# KiCad board PANEL.kicad_pcb (continued)
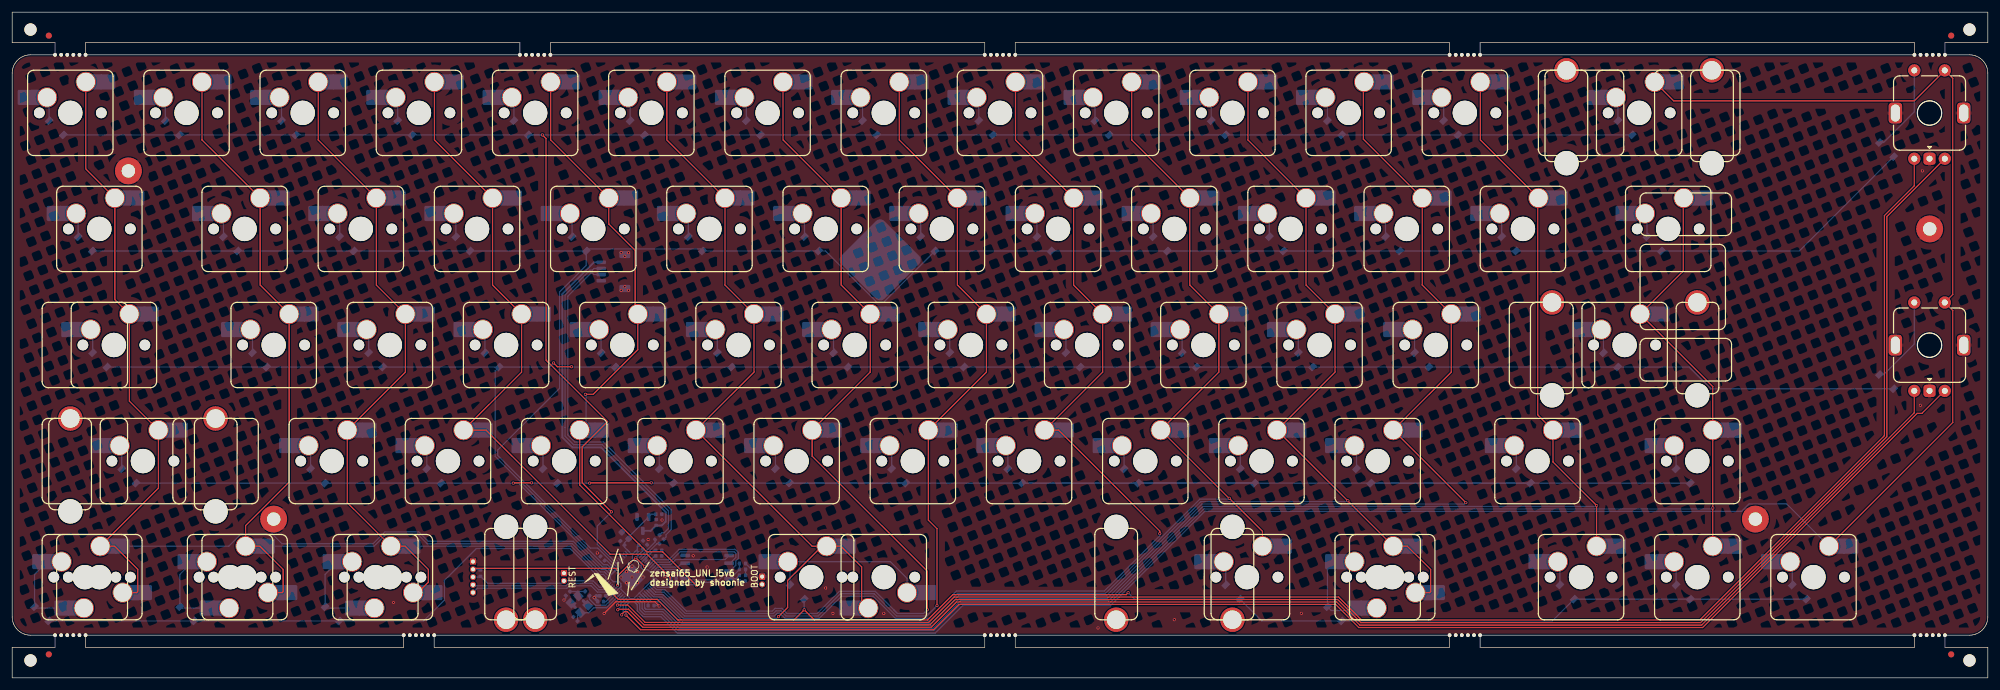
[diagram p0: board, top side]
## Footprints (pads in the part's own frame, mm; a bottom-side part is the same pattern mirrored in y, then rotated) (continued)
STAB_MX_P_2u
  round 4 hole 3.048: (-11.906,6.985) (11.906,6.985)
  round 3.988 hole 3.988 unplated: (-11.906,-8.255) (11.906,-8.255)
STAB_MX_P_6.25u
  round 4 hole 3.048: (-50.006,6.985) (50.006,6.985)
  round 3.988 hole 3.988 unplated: (-50.006,-8.255) (50.006,-8.255)
STAB_MX_P_7u
  round 4 hole 3.048: (-57.15,6.985) (57.15,6.985)
  round 3.988 hole 3.988 unplated: (-57.15,-8.255) (57.15,-8.255)
SW_MX_HS_S_CPG151101S11_1u
  round 1.75 hole 1.75 unplated: (-5.08,0) (5.08,0)
  round 3.988 hole 3.988 unplated: (0,0)
  round 3.3 hole 3: 1(3.81,2.54) 2(-2.54,5.08)
  rect 1.65x2.5 smd: 1(5.635,2.54) 2(-4.34,5.08)
  rrect 2.55x2.5 smd: 1(7.36,2.54) 2(-6.09,5.08)

## Nets
Board_0-+1V1: C4.1 C5.1 C13.1 U1.23 U1.45 U1.50
Board_0-+3V3: C2.1 C3.1 C6.1 C7.1 C8.1 C9.1 C12.1 C14.1 C15.1 C16.1 J3.2 R3.2 R9.2 U1.1 U1.10 U1.22 U1.33 U1.42 U1.43 U1.44 U1.48 U1.49 U2.2 U4.8
Board_0-+5V: C1.1 J1.1 U2.3
Board_0-COL0: SW1.2 SW17.2 SW34.2 SW50.2 SW64.2 SW65.1 U1.30
Board_0-COL1: SW2.2 SW18.2 SW35.2 SW66.2 SW67.1 U1.29
Board_0-COL2: SW3.2 SW19.2 SW36.2 SW52.2 SW68.2 SW69.1 U1.28
Board_0-COL3: SW4.2 SW20.2 SW37.2 SW53.2 U1.2
Board_0-COL4: SW5.2 SW21.2 SW38.2 SW54.2 U1.3
Board_0-COL5: SW6.2 SW22.2 SW39.2 SW55.2 SW70.2 SW71.2 U1.7
Board_0-COL6: SW7.2 SW23.2 SW40.2 SW56.2 U1.4
Board_0-COL7: SW8.2 SW24.2 SW41.2 SW57.2 U1.5
Board_0-COL8: SW9.2 SW25.2 SW42.2 SW58.2 U1.6
Board_0-COL9: SW10.2 SW26.2 SW43.2 SW59.2 SW72.2 U1.8
Board_0-COL10: SW11.2 SW27.2 SW44.2 SW60.2 SW73.2 SW74.1 U1.9
Board_0-COL11: SW12.2 SW28.2 SW45.2 SW61.2 U1.11
Board_0-COL12: SW13.2 SW29.2 SW62.2 SW75.2 U1.12
Board_0-COL13: SW30.2 SW47.2 SW63.2 SW76.2 U1.13
Board_0-COL14: SW15.2 SW32.S1 SW48.S1 SW77.2 U1.14
Board_0-D+: J1.3 R4.1
Board_0-D-: J1.2 R5.1
Board_0-GND: C1.2 C2.2 C3.2 C4.2 C5.2 C6.2 C7.2 C8.2 C9.2 C10.1 C11.1 C12.2 C13.2 C14.2 C15.2 C16.2 H1.1 H2.1 H3.1 H4.1 H7.1 J1.4 J1.MP J3.1 SW32.C SW32.MP SW48.C SW48.MP SW78.1 SW79.1 U1.19 U1.57 U2.1 U4.4 Y1.2 Y1.4
Board_0-Net-(C11-Pad2): C11.2 R6.1 Y1.1
Board_0-Net-(D1-A): D1.2 SW1.1
Board_0-Net-(D2-A): D2.2 SW2.1
Board_0-Net-(D3-A): D3.2 SW3.1
Board_0-Net-(D4-A): D4.2 SW4.1
Board_0-Net-(D5-A): D5.2 SW5.1
Board_0-Net-(D6-A): D6.2 SW6.1
Board_0-Net-(D7-A): D7.2 SW7.1
Board_0-Net-(D8-A): D8.2 SW8.1
Board_0-Net-(D9-A): D9.2 SW9.1
Board_0-Net-(D10-A): D10.2 SW10.1
Board_0-Net-(D11-A): D11.2 SW11.1
Board_0-Net-(D12-A): D12.2 SW12.1
Board_0-Net-(D13-A): D13.2 SW13.1
Board_0-Net-(D15-A): D15.2 SW15.1
Board_0-Net-(D17-A): D17.2 SW17.1
Board_0-Net-(D18-A): D18.2 SW18.1
Board_0-Net-(D19-A): D19.2 SW19.1
Board_0-Net-(D20-A): D20.2 SW20.1
Board_0-Net-(D21-A): D21.2 SW21.1
Board_0-Net-(D22-A): D22.2 SW22.1
Board_0-Net-(D23-A): D23.2 SW23.1
Board_0-Net-(D24-A): D24.2 SW24.1
Board_0-Net-(D25-A): D25.2 SW25.1
Board_0-Net-(D26-A): D26.2 SW26.1
Board_0-Net-(D27-A): D27.2 SW27.1
Board_0-Net-(D28-A): D28.2 SW28.1
Board_0-Net-(D29-A): D29.2 SW29.1
Board_0-Net-(D31-A): D31.2 SW30.1
Board_0-Net-(D32-A): D32.2 SW32.S2
Board_0-Net-(D34-A): D34.2 SW34.1
Board_0-Net-(D35-A): D35.2 SW35.1
Board_0-Net-(D36-A): D36.2 SW36.1
Board_0-Net-(D37-A): D37.2 SW37.1
Board_0-Net-(D38-A): D38.2 SW38.1
Board_0-Net-(D39-A): D39.2 SW39.1
Board_0-Net-(D40-A): D40.2 SW40.1
Board_0-Net-(D41-A): D41.2 SW41.1
Board_0-Net-(D42-A): D42.2 SW42.1
Board_0-Net-(D43-A): D43.2 SW43.1
Board_0-Net-(D44-A): D44.2 SW44.1
Board_0-Net-(D45-A): D45.2 SW45.1
Board_0-Net-(D46-A): D46.2 SW47.1
Board_0-Net-(D48-A): D48.2 SW48.S2
Board_0-Net-(D50-A): D50.2 SW50.1
Board_0-Net-(D52-A): D52.2 SW52.1
Board_0-Net-(D53-A): D53.2 SW53.1
Board_0-Net-(D54-A): D54.2 SW54.1
Board_0-Net-(D55-A): D55.2 SW55.1
Board_0-Net-(D56-A): D56.2 SW56.1
Board_0-Net-(D57-A): D57.2 SW57.1
Board_0-Net-(D58-A): D58.2 SW58.1
Board_0-Net-(D59-A): D59.2 SW59.1
Board_0-Net-(D60-A): D60.2 SW60.1
Board_0-Net-(D61-A): D61.2 SW61.1
Board_0-Net-(D62-A): D62.2 SW62.1
Board_0-Net-(D63-A): D63.2 SW63.1
Board_0-Net-(D64-A): D64.2 SW64.1 SW65.2
Board_0-Net-(D66-A): D66.2 SW66.1 SW67.2
Board_0-Net-(D68-A): D68.2 SW68.1 SW69.2
Board_0-Net-(D70-A): D70.2 SW70.1 SW71.1
Board_0-Net-(D72-A): D72.2 SW72.1
Board_0-Net-(D74-A): D74.2 SW73.1 SW74.2
Board_0-Net-(D75-A): D75.2 SW75.1
Board_0-Net-(D76-A): D76.2 SW76.1
Board_0-Net-(D77-A): D77.2 SW77.1
Board_0-Net-(R7-Pad1): R7.1 SW79.2
Board_0-Net-(R8-Pad2): R8.2 R9.1
Board_0-Net-(U1-USB_DM): R5.2 U1.46
Board_0-Net-(U1-USB_DP): R4.2 U1.47
Board_0-QSPI_SCLK: U1.52 U4.6
Board_0-QSPI_SD0: U1.53 U4.5
Board_0-QSPI_SD1: U1.55 U4.2
Board_0-QSPI_SD2: U1.54 U4.3
Board_0-QSPI_SD3: U1.51 U4.7
Board_0-QSPI_SS: R7.2 R8.1 U1.56 U4.1
Board_0-RESET: J3.3 R3.1 SW78.2 U1.26
Board_0-ROW0: D1.1 D2.1 D3.1 D4.1 D5.1 D6.1 D7.1 D8.1 D9.1 D10.1 D11.1 D12.1 D13.1 D15.1 U1.35
Board_0-ROW1: D17.1 D18.1 D19.1 D20.1 D21.1 D22.1 D23.1 D24.1 D25.1 D26.1 D27.1 D28.1 D29.1 D31.1 D32.1 U1.34
Board_0-ROW2: D34.1 D35.1 D36.1 D37.1 D38.1 D39.1 D40.1 D41.1 D42.1 D43.1 D44.1 D45.1 D46.1 D48.1 U1.32
Board_0-ROW3: D50.1 D52.1 D53.1 D54.1 D55.1 D56.1 D57.1 D58.1 D59.1 D60.1 D61.1 D62.1 D63.1 U1.31
Board_0-ROW4: D64.1 D66.1 D68.1 D70.1 D72.1 D74.1 D75.1 D76.1 D77.1 U1.27
Board_0-SW32A: SW32.A U1.18
Board_0-SW32B: SW32.B U1.17
Board_0-SW48A: SW48.A U1.16
Board_0-SW48B: SW48.B U1.15
Board_0-SWCLK: J3.5 U1.24
Board_0-SWD: J3.4 U1.25
Board_0-unconnected-(U1-GPIO24-Pad36): U1.36
Board_0-unconnected-(U1-GPIO25-Pad37): U1.37
Board_0-unconnected-(U1-GPIO26_ADC0-Pad38): U1.38
Board_0-unconnected-(U1-GPIO27_ADC1-Pad39): U1.39
Board_0-unconnected-(U1-GPIO28_ADC2-Pad40): U1.40
Board_0-unconnected-(U1-GPIO29_ADC3-Pad41): U1.41
Board_0-XIN: C10.2 U1.20 Y1.3
Board_0-XOUT: R6.2 U1.21

## Via types
v1: diameter 0.5, hole 0.3, Top to Bottom, 65 vias

## Routing (per net, layer and track width the routed paths; a pad name or vN(x,y) marks a point on that pad's centre or on a via; arc(x,y) is an arc through that point)
Board_0-+1V1: length 16.1
  Top w0.2: v1(103.65,18.29) v1(102.23,19.7) 102.2,19.7 99.24,16.74 v1(99.24,15.22)
  Bottom w0.2: v1(103.65,18.29) U1.50 104.48,19.13 ; 104.48,19.13 105.36,20.01 104.48,19.13 ; C4.1 103.39,20.87 U1.45 v1(102.23,19.7) ; C13.1 97.68,13.45 U1.23 99.24,15.01 v1(99.24,15.22)
Board_0-+3V3: length 87.5
  Top w0.2: v1(99.23,17.79) 99.05,17.98 75.71,17.98
  Bottom w0.2: 99.79,15.1 99.79,14.99 99.46,14.67 99.46,14.67 U1.22 97.3,12.51 C14.1 ; 99.79,15.1 99.79,15.45 99.46,15.77 98.53,15.77 98.07,16.24 98.07,16.81 98.31,17.05 ; 99.79,15.1 99.79,14.52 101.31,13 101.89,13 102.8,13.91 ; U1.44 102.48,21.57 C7.1 ; 103.1,18.85 103.1,18.87 U1.48 ; 103.1,18.85 103.1,18.43 103.1,18.43 103.1,18.06 103.42,17.74 104.21,17.74 105.08,16.86 105.08,16.19 ; 103.1,18.85 102.79,19.15 102,19.15 101.68,19.48 101.68,20.28 101.82,20.42 ; 102.8,13.91 102.81,13.91 U1.10 104.24,12.47 C16.1 ; 102.8,13.91 105.08,16.19 ; R9.2 118.64,16.27 U4.8 ; 101.82,20.42 101.38,20.42 U1.42 100.36,21.44 C6.1 100.36,22.14 C3.1 ; 101.82,20.42 U1.43 ; U1.48 104.57,20.34 ; U1.48 103.89,19.66 ; 104.57,20.34 103.89,19.66 ; 104.57,20.34 105.15,20.92 C8.1 ; U4.8 118.62,16.27 119,15.89 ; U4.8 116.92,15.67 111.16,15.67 111.16,15.67 108.5,15.67 C15.1 107.25,15.67 106.13,15.67 U1.1 105.49,16.31 105.2,16.31 105.08,16.19 ; 98.31,17.05 98.84,17.58 98.84,17.87 U1.33 97.45,19.26 C9.1 ; 98.31,17.05 99.05,17.79 v1(99.23,17.79) ; 103.89,19.66 U1.49 ; J3.2 76.63,17.81 ; 101.03,23.1 U2.2 104.79,26.86 C2.1
Board_0-+5V: length 60
  Bottom w0.3: J1.1 95.36,68.19 90.18,63.01 90.18,39.48 91.85,37.81 96.54,37.81 107.13,27.22 107.13,25.65 106.49,25.01 C1.1 104.68,24.13 U2.3
Board_0-COL0: length 187.2
  Top w0.2: SW65.1 20.43,13.99 20.59,14.15 20.59,17.79 16.78,21.61 SW64.2 23.97,31.13 SW50.2 19.21,45.42 SW34.2 16.83,62.09 SW17.2 12.06,83.52 SW1.2
  Bottom w0.2: U1.30 97.24,17.78 96.6,17.78 91.97,22.41 68.2,22.41 66.65,23.96 61.1,23.96 59.15,22.01 44.22,22.01 42.67,23.56 37.45,23.56 35.5,21.61 SW64.2
Board_0-COL1: length 161.6
  Top w0.2: SW67.1 44.24,13.99 44.41,14.15 44.41,17.79 40.59,21.61 SW66.2 38.26,24.98 45.4,32.13 SW35.2 40.64,64.47 SW18.2 31.11,88.28 SW2.2
  Bottom w0.2: SW66.2 59.31,21.61 61.26,23.56 66.48,23.56 68.03,22.01 91.81,22.01 96.44,17.38 97.07,17.38 U1.29
Board_0-COL2: length 140.7
  Top w0.2: 66.52,13.99 68.22,15.69 68.22,17.79 64.4,21.61 SW68.2 54.93,28.75 SW52.2 64.45,50.18 SW36.2 59.69,64.47 SW19.2 50.16,88.28 SW3.2
  Bottom w0.2: U1.28 97.33,16.55 96.91,16.98 96.27,16.98 91.64,21.61 SW68.2 ; 63.73,22.01 62.69,23.06
Board_0-COL3: length 114.4
  Top w0.2: v1(107.84,15.48) 107.84,16.53 104.08,20.29 98.04,20.29 77.67,40.66 SW53.2 83.5,50.18 SW37.2 78.74,64.47 SW20.2 69.22,88.28 SW4.2
  Bottom w0.2: v1(107.84,15.48) 107.63,15.27 105.96,15.27 U1.2
Board_0-COL4: length 108.1
  Top w0.2: SW38.2 102.55,53.85 95.24,46.54 v1(93.96,46.54) ; v1(112.18,15.12) 106.62,20.69 103.99,20.69 93.03,31.65 SW54.2 ; 102.11,60.15 102.11,70.17 97.79,74.48 SW21.2 88.27,88.28 SW5.2
  Bottom w0.2: 94.08,41.71 94.08,46.42 v1(93.96,46.54) ; U1.3 105.81,14.86 107.99,14.86 108.41,15.27 112.04,15.27 v1(112.18,15.12)
Board_0-COL5: length 147.1
  Top w0.2: v1(125.61,10.05) 127.11,11.55 127.11,15.99 132.73,21.61 ; 139.25,12.53 139.25,18.2 135.84,21.61 SW70.2 131.13,21.61 SW55.2 121.6,50.18 SW39.2 116.84,64.47 SW22.2 107.31,88.28 SW6.2
  Bottom w0.2: v1(125.61,10.05) 125.32,9.75 110.03,9.75 106.52,13.26 105.15,13.26 U1.7
Board_0-COL6: length 155.6
  Top w0.2: v1(150.02,11.17) 150.02,17.49 131.13,36.38 SW56.2 140.65,50.18 SW40.2 135.89,64.47 SW23.2 126.36,88.28 SW7.2
  Bottom w0.2: 145.12,10.55 149.4,10.55 v1(150.02,11.17) ; 145.12,10.55 144.58,11.09 ; 145.12,10.55 144.58,11.09 ; 144.58,11.09 141.47,14.2 135.59,14.2 131.95,10.55 127.02,10.55 126.17,11.4 125.05,11.4 124.61,10.95 110.52,10.95 107.01,14.46 105.65,14.46 U1.4
Board_0-COL7: length 149.3
  Top w0.2: SW8.2 145.42,88.28 SW24.2 154.94,64.47 SW41.2 159.7,50.18 SW57.2 150.18,25.89 151.6,24.47 v1(151.6,11.85)
  Bottom w0.2: v1(151.6,11.85) 149.9,10.15 144.95,10.15 141.31,13.8 135.76,13.8 132.11,10.15 126.85,10.15 126,11 125.22,11 124.77,10.55 110.36,10.55 106.85,14.06 105.48,14.06 U1.5
Board_0-COL8: length 189.4
  Top w0.2: v1(188.12,23.67) 188.12,24.08 171.54,40.66 SW58.2 178.75,50.18 SW42.2 173.99,64.47 SW25.2 164.46,88.28 SW9.2
  Bottom w0.2: 105.31,13.66 105.18,13.79 U1.6 105.31,13.66 ; 105.31,13.66 106.68,13.66 110.19,10.15 124.94,10.15 125.38,10.6 125.84,10.6 126.68,9.75 132.28,9.75 135.93,13.4 141.14,13.4 144.79,9.75 150.3,9.75 154.8,14.25 179.04,14.25 188.12,23.33 v1(188.12,23.67)
Board_0-COL9: length 198.9
  Top w0.2: SW72.2 204.95,24.04 v1(199.52,29.47) 199.46,29.47 SW59.2 197.8,50.18 SW43.2 193.04,64.47 SW26.2 183.51,88.28 SW10.2
  Bottom w0.2: U1.8 104.98,12.86 106.33,12.86 109.84,9.35 150.47,9.35 154.97,13.85 164.4,13.85 179.2,13.85 194.67,29.32 199.37,29.32 v1(199.52,29.47)
Board_0-COL10: length 233.5
  Top w0.2: SW74.1 232.36,13.99 232.52,14.15 232.52,17.79 228.71,21.61 SW73.2 218.95,29.04 v1(218.95,29.07) 218.92,29.1 218.88,29.1 SW60.2 216.85,50.18 SW44.2 212.09,64.47 SW27.2 202.56,88.28 SW11.2
  Bottom w0.2: v1(218.95,29.07) 218.8,28.92 194.84,28.92 179.37,13.45 155.13,13.45 150.63,8.95 109.67,8.95 106.16,12.46 104.82,12.46 U1.9
Board_0-COL11: length 230.2
  Top w0.2: v1(238.28,28.75) SW61.2 235.9,50.18 SW45.2 231.14,64.47 SW28.2 221.49,88.41 221.49,97.68
  Bottom w0.2: 103.66,11.5 103.66,12.48 U1.11 ; 103.66,11.5 103.92,11.24 ; 103.66,11.5 103.92,11.24 ; 103.92,11.24 106.82,11.24 109.51,8.55 150.8,8.55 155.3,13.05 179.53,13.05 195.01,28.52 238.06,28.52 v1(238.28,28.75)
Board_0-COL12: length 251.8
  Top w0.2: 250.07,78.63 250.07,43.16 SW62.2 252.57,35.43 v1(259.71,28.29) SW75.2 ; SW13.2 240.67,88.28 SW29.2
  Bottom w0.2: v1(259.71,28.29) 259.55,28.12 195.17,28.12 179.7,12.65 155.46,12.65 150.97,8.15 109.34,8.15 106.65,10.84 103.75,10.84 103.26,11.33 103.26,12.32 U1.12
Board_0-COL13: length 252.1
  Top w0.2: 273.93,78.68 273.93,66.77 SW47.2 278.76,47.8 SW63.2 v1(278.76,27.88) SW76.2
  Bottom w0.2: v1(278.76,27.88) 278.61,27.72 195.34,27.72 179.86,12.25 155.63,12.25 151.13,7.75 109.18,7.75 106.48,10.44 103.59,10.44 102.86,11.16 102.86,12.15 U1.13
Board_0-COL14: length 348.9
  Top w0.2: SW15.2 272.35,94.7 311.8,94.7 SW32.S1 318.1,98.4 318.1,62.9 SW48.S1 318.1,60.3 318.1,41.89 SW77.2
  Bottom w0.2: U1.14 102.46,11.98 102.46,11 103.42,10.04 106.32,10.04 109.01,7.35 151.3,7.35 155.8,11.84 180.03,11.84 195.5,27.32 283.48,27.32 284.71,28.55 290.87,28.55 SW77.2
Board_0-D+: length 57.4
  Bottom w0.2: R4.1 107.18,23.12 107.18,23.49 108.03,24.34 108.03,27.59 96.91,38.71 92.22,38.71 91.08,39.85 91.08,62.64 94.91,66.47 95.11,66.47 95.39,66.19 J1.3
Board_0-D-: length 57.7
  Bottom w0.2: J1.2 95.39,67.19 95.11,66.92 94.72,66.92 90.63,62.82 90.63,41.07 90.63,39.66 92.03,38.26 96.73,38.26 107.58,27.4 107.58,24.52 106.86,23.81 106.49,23.81 R5.1
Board_0-GND: length 19.8
  Top w0.2: v1(106.06,11.79) 105.36,12.49 98.95,12.49 v1(97.04,10.57)
  Bottom w0.2: C16.2 105.99,11.85 v1(106.06,11.79) ; C11.1 90.74,13.06 v1(90.45,12.77) ; U1.19 97.06,10.57 v1(97.04,10.57)
  Bottom w0.5: C14.2 95.96,12.59 v1(95.4,13.15) 95.71,13.45 C13.2 ; Y1.4 92.3,11.54 ; Y1.2 93.61,12.64
  vias: v1(62.51,12.36) v1(95.91,20.49) v1(99.83,69.79) v1(99.83,63.59) v1(99.8,16.53) v1(100.43,69.19) v1(100.43,64.19) v1(100.7,17.42) v1(100.7,15.63) v1(101.03,69.79) v1(101.03,63.59) v1(101.6,18.32) v1(101.6,16.53) v1(101.6,14.73) v1(102.5,17.42) v1(102.5,15.63) v1(103.4,16.53) v1(104.24,22.7) v1(106.53,25.9) v1(106.98,16.6) v1(111.63,20.03) v1(113.92,18.18) v1(133.35,14.74) v1(134.54,10.57) v1(142.88,10.57) v1(178,8.19) v1(190.5,9.54) v1(211.34,10.57) v1(312.8,44.72) v1(313.13,83.2)
Board_0-Net-(C11-Pad2): length 2.5
  Bottom w0.2: 93.9,14.17 C11.2
Board_0-Net-(D1-A): length 3.5
  Bottom w0.2: D1.2 6.05,94.93
Board_0-Net-(D2-A): length 3.5
  Bottom w0.2: D2.2 25.1,94.93
Board_0-Net-(D3-A): length 3.5
  Bottom w0.2: D3.2 44.15,94.93
Board_0-Net-(D4-A): length 3.5
  Bottom w0.2: D4.2 63.2,94.93
Board_0-Net-(D5-A): length 3.5
  Bottom w0.2: D5.2 82.25,94.93
Board_0-Net-(D6-A): length 3.5
  Bottom w0.2: D6.2 101.3,94.93
Board_0-Net-(D7-A): length 3.5
  Bottom w0.2: D7.2 120.35,94.93
Board_0-Net-(D8-A): length 3.5
  Bottom w0.2: D8.2 139.4,94.93
Board_0-Net-(D9-A): length 3.5
  Bottom w0.2: D9.2 158.45,94.93
Board_0-Net-(D10-A): length 3.5
  Bottom w0.2: D10.2 177.5,94.93
Board_0-Net-(D11-A): length 3.5
  Bottom w0.2: D11.2 196.55,94.93
Board_0-Net-(D12-A): length 3.5
  Bottom w0.2: D12.2 215.6,94.93
Board_0-Net-(D13-A): length 3.5
  Bottom w0.2: D13.2 234.65,94.93
Board_0-Net-(D15-A): length 3.5
  Bottom w0.2: D15.2 263.22,94.93
Board_0-Net-(D17-A): length 3.5
  Bottom w0.2: D17.2 10.81,75.88
Board_0-Net-(D18-A): length 3.5
  Bottom w0.2: D18.2 34.62,75.88
Board_0-Net-(D19-A): length 3.5
  Bottom w0.2: D19.2 53.67,75.88
Board_0-Net-(D20-A): length 3.5
  Bottom w0.2: D20.2 72.72,75.88
Board_0-Net-(D21-A): length 3.5
  Bottom w0.2: D21.2 91.77,75.88
Board_0-Net-(D22-A): length 3.5
  Bottom w0.2: D22.2 110.82,75.88
Board_0-Net-(D23-A): length 3.5
  Bottom w0.2: D23.2 129.87,75.88
Board_0-Net-(D24-A): length 3.5
  Bottom w0.2: D24.2 148.92,75.88
Board_0-Net-(D25-A): length 3.5
  Bottom w0.2: D25.2 167.97,75.88
Board_0-Net-(D26-A): length 3.5
  Bottom w0.2: D26.2 187.02,75.88
Board_0-Net-(D27-A): length 3.5
  Bottom w0.2: D27.2 206.07,75.88
Board_0-Net-(D28-A): length 3.5
  Bottom w0.2: D28.2 225.12,75.88
Board_0-Net-(D29-A): length 3.5
  Bottom w0.2: D29.2 244.17,75.88
Board_0-Net-(D31-A): length 3.5
  Bottom w0.2: D31.2 267.99,75.88
Board_0-Net-(D32-A): length 14.6
  Bottom w0.2: D32.2 306.78,87.87 311.8,92.89 SW32.S2
Board_0-Net-(D34-A): length 3.5
  Bottom w0.2: D34.2 13.19,56.83
Board_0-Net-(D35-A): length 3.5
  Bottom w0.2: D35.2 39.39,56.83
Board_0-Net-(D36-A): length 3.5
  Bottom w0.2: D36.2 58.44,56.83
Board_0-Net-(D37-A): length 3.5
  Bottom w0.2: D37.2 77.49,56.83
Board_0-Net-(D38-A): length 3.5
  Bottom w0.2: D38.2 96.54,56.83
Board_0-Net-(D39-A): length 3.5
  Bottom w0.2: D39.2 115.59,56.83
Board_0-Net-(D40-A): length 3.5
  Bottom w0.2: D40.2 134.64,56.83
Board_0-Net-(D41-A): length 3.5
  Bottom w0.2: D41.2 153.69,56.83
Board_0-Net-(D42-A): length 3.5
  Bottom w0.2: D42.2 172.74,56.83
Board_0-Net-(D43-A): length 3.5
  Bottom w0.2: D43.2 191.79,56.83
Board_0-Net-(D44-A): length 3.5
  Bottom w0.2: D44.2 210.84,56.83
Board_0-Net-(D45-A): length 3.5
  Bottom w0.2: D45.2 229.89,56.83
Board_0-Net-(D46-A): length 3.5
  Bottom w0.2: D46.2 260.84,56.83
Board_0-Net-(D48-A): length 14.6
  Bottom w0.2: SW48.S2 311.8,54.79 306.78,49.77 D48.2
Board_0-Net-(D50-A): length 3.5
  Bottom w0.2: D50.2 17.95,37.78
Board_0-Net-(D52-A): length 3.5
  Bottom w0.2: D52.2 48.91,37.78
Board_0-Net-(D53-A): length 3.5
  Bottom w0.2: D53.2 67.96,37.78
Board_0-Net-(D54-A): length 3.5
  Bottom w0.2: D54.2 87.01,37.78
Board_0-Net-(D55-A): length 3.5
  Bottom w0.2: D55.2 106.06,37.78
Board_0-Net-(D56-A): length 3.5
  Bottom w0.2: D56.2 125.11,37.78
Board_0-Net-(D57-A): length 3.5
  Bottom w0.2: D57.2 144.16,37.78
Board_0-Net-(D58-A): length 3.5
  Bottom w0.2: D58.2 163.21,37.78
Board_0-Net-(D59-A): length 3.5
  Bottom w0.2: D59.2 182.26,37.78
Board_0-Net-(D60-A): length 3.5
  Bottom w0.2: D60.2 201.31,37.78
Board_0-Net-(D61-A): length 3.5
  Bottom w0.2: D61.2 220.36,37.78
Board_0-Net-(D62-A): length 3.5
  Bottom w0.2: D62.2 246.55,37.78
Board_0-Net-(D63-A): length 3.5
  Bottom w0.2: D63.2 272.75,37.78
Board_0-Net-(D64-A): length 18.5
  Bottom w0.2: SW65.2 3.89,11.45 ; D64.2 3.67,16.97 5.76,19.07 SW64.1
Board_0-Net-(D66-A): length 18.5
  Bottom w0.2: SW66.1 29.58,19.07 27.48,16.97 D66.2 ; SW67.2 27.7,11.45
Board_0-Net-(D68-A): length 18.5
  Bottom w0.2: D68.2 51.29,16.97 53.39,19.07 SW68.1 ; SW69.2 51.51,11.45
Board_0-Net-(D70-A): length 26.5
  Bottom w0.2: SW70.1 143.94,19.07 146.69,16.32 SW71.1 ; D70.2 127.49,18.73
Board_0-Net-(D72-A): length 3.5
  Bottom w0.2: D72.2 198.93,18.73
Board_0-Net-(D74-A): length 15
  Bottom w0.2: 215.6,18.75 D74.2 216.22,11.05 223.28,11.05
Board_0-Net-(D75-A): length 3.5
  Bottom w0.2: D75.2 253.7,18.73
Board_0-Net-(D76-A): length 3.5
  Bottom w0.2: D76.2 272.75,18.73
Board_0-Net-(D77-A): length 3.5
  Bottom w0.2: D77.2 291.8,18.73
Board_0-Net-(R7-Pad1): length 5
  Bottom w0.2: SW79.2 122.23,15.34 122.14,15.43 122.14,16.85 R7.1
Board_0-Net-(R8-Pad2): length 1
  Bottom w0.2: R9.1 R8.2
Board_0-Net-(U1-USB_DM): length 3.7
  Bottom w0.2: U1.46 105.38,22.29 R5.2
Board_0-Net-(U1-USB_DP): length 3.7
  Bottom w0.2: R4.2 105.67,22.01 U1.47
Board_0-QSPI_SCLK: length 17
  Bottom w0.2: 117.69,18.81 118.62,19.75 118.62,20.42 118.36,20.68 109.48,20.68 107.78,18.98 105.47,18.98 U1.52
Board_0-QSPI_SD0: length 13.4
  Bottom w0.2: U1.53 105.63,18.58 107.94,18.58 108.78,19.41 116.85,19.41 U4.5
Board_0-QSPI_SD1: length 5
  Bottom w0.2: U4.2 109.13,17.54 108.89,17.78 105.96,17.78 U1.55
Board_0-QSPI_SD2: length 4.9
  Bottom w0.2: U1.54 105.8,18.18 109.13,18.18 109.76,18.81
Board_0-QSPI_SD3: length 19.4
  Bottom w0.2: 117.69,17.54 118.62,18.48 118.62,19.18 119.02,19.58 119.02,20.58 118.52,21.08 109.32,21.08 107.61,19.38 105.3,19.38 U1.51
Board_0-QSPI_SS: length 14.8
  Bottom w0.2: 119.2,17.77 118.31,16.87 116.68,16.87 115.89,16.07 110.52,16.07 ; U1.56 106.13,17.38 108.69,17.38 109.79,16.27 ; R8.1 R7.2
Board_0-RESET: length 23.5
  Bottom w0.2: R3.1 77.91,15.51 90.05,15.51 SW78.2 95.23,15.91 96.27,14.86 97.39,14.86 U1.26 ; J3.3 76.63,16.54
Board_0-ROW0: length 340.2
  Top w0.2: v1(86.91,89.11) 87.51,88.51 87.51,52.14 97.59,42.06 93.43,37.9 93.43,32.04 v1(98.23,27.24)
  Bottom w0.2: U1.35 95.92,21.92 95.92,24.93 v1(98.23,27.24) ; D5.1 D6.1 D7.1 D8.1 D9.1 D10.1 D11.1 D12.1 D13.1 D15.1 ; D5.1 D4.1 D3.1 D2.1 D1.1 ; D5.1 v1(86.91,89.11)
Board_0-ROW1: length 374.5
  Bottom w0.2: 98.63,18.65 95.99,21.29 94.79,21.29 79.58,36.5 79.58,37.37 89.73,47.53 89.73,63.32 94.11,67.7 D21.1 D20.1 D19.1 D18.1 D17.1 ; D32.1 292.94,70.06 D31.1 D29.1 D28.1 D27.1 D26.1 D25.1 D24.1 142.83,61.63 141.75,61.63 133.32,70.06 D23.1 D22.1 112.82,70.39 94.44,70.39
Board_0-ROW2: length 336.5
  Top w0.2: v1(91.68,51.05) 89.38,51.05 v1(88.74,51.69)
  Bottom w0.2: D37.1 79.18,50.37 79.18,36.33 96.93,18.58 97.57,18.58 U1.32 ; D37.1 88.06,51.01 v1(88.74,51.69) ; D37.1 D36.1 D35.1 D34.1 ; v1(91.68,51.05) 91.72,51.01 D38.1 D39.1 D40.1 D41.1 D42.1 D43.1 D44.1 D45.1 D46.1 274.9,51.01 278.48,47.44 D48.1
Board_0-ROW3: length 378.9
  Top w0.2: v1(85.13,32) 82.2,32 v1(82.15,31.96) ; v1(104.78,32) 94.7,32 v1(94.65,31.96)
  Bottom w0.2: D62.1 D61.1 ; D62.1 D60.1 ; D62.1 D63.1 ; D60.1 D57.1 ; D60.1 D59.1 ; D60.1 D58.1 ; D50.1 D52.1 D53.1 82.99,31.96 96.77,18.18 97.4,18.18 U1.31 ; v1(94.65,31.96) D54.1 85.18,31.96 v1(85.13,32) ; D57.1 D56.1 ; D57.1 D55.1 104.82,31.96 v1(104.78,32)
Board_0-ROW4: length 309.9
  Top w0.2: v1(182.93,13.97) 182.61,13.65 154.2,13.65 150.05,9.5 131.5,9.5 v1(129.83,11.17) 128.15,9.5 109.13,9.5 105.74,12.89 99.33,12.89 v1(96.49,15.73)
  Bottom w0.2: v1(182.93,13.97) 184,12.91 D72.1 204.83,9.34 D74.1 252.46,9.34 D75.1 D76.1 D77.1 ; D64.1 D66.1 D68.1 67.43,9.34 70.85,12.75 70.85,15.98 76.07,21.21 91.48,21.21 96.49,16.19 v1(96.49,15.73) 96.95,15.27 97.23,15.27 U1.27 ; v1(129.83,11.17) D70.1
Board_0-SW32A: length 273.7
  Top w0.2: v1(99.2,11.94) 100.91,11.94 103.75,9.1 150.25,9.1 154.4,13.25 217.44,13.25 221.2,9.49 276.65,9.49 306.9,39.74 306.9,75.87 311.8,80.77 SW32.A
  Bottom w0.2: U1.18 99.2,12.15 v1(99.2,11.94)
Board_0-SW32B: length 276.8
  Top w0.2: SW32.B 307.3,75.7 307.3,39.58 276.77,9.05 221.08,9.05 217.28,12.85 154.6,12.85 150.44,8.7 103.58,8.7 101.03,11.25 99.35,11.25 v1(99.26,11.17)
  Bottom w0.2: v1(99.26,11.17) 99.26,11.22 99.75,11.71 99.75,12.13 U1.17
Board_0-SW48A: length 237.1
  Top w0.2: v1(99.9,10.33) 99.9,10.38 100.38,10.85 100.83,10.85 103.39,8.3 150.64,8.3 154.8,12.45 217.11,12.45 220.91,8.65 276.94,8.65 311.8,43.51 SW48.A
  Bottom w0.2: v1(99.9,10.33) 99.9,10.38 100.15,10.63 100.15,11.97 U1.16
Board_0-SW48B: length 238.6
  Top w0.2: 316.74,47.1 313.05,43.4 312.26,43.4 277.1,8.25 220.74,8.25 216.94,12.05 155.2,12.05 151.05,7.9 103.01,7.9 v1(100.6,10.3)
  Bottom w0.2: U1.15 100.6,11.85 v1(100.6,10.3)
Board_0-SWCLK: length 24.1
  Bottom w0.2: J3.5 76.25,14.71 90.95,14.71 91.35,15.11 94.9,15.11 95.94,14.06 97.72,14.06 U1.24
Board_0-SWD: length 23.3
  Bottom w0.2: U1.25 97.56,14.46 96.1,14.46 95.06,15.51 91.18,15.51 90.78,15.11 75.7,15.11
Board_0-XIN: length 9.3
  Bottom w0.2: Y1.3 92.67,10.23 C10.2 ; U1.20 97.43,11.5 95.36,11.5 94.54,10.68 93.16,10.68
Board_0-XOUT: length 6.5
  Bottom w0.2: U1.21 97.26,11.9 95.64,11.9 94.65,12.9 R6.2

## Copper pours and planes (outline as drawn; the poured copper is in the pictures)
Board_0-GND on Top, Bottom: -46.66,145.64 341.7,136.75 361.26,-21.75 -92.89,-19.72

## Text on the board
B.Silkscreen: REST | BOOT
F.Silkscreen: REST | BOOT
